# Altium PCB ir-24v-shit5-7.PcbDoc (part 2 of 6) (continued)
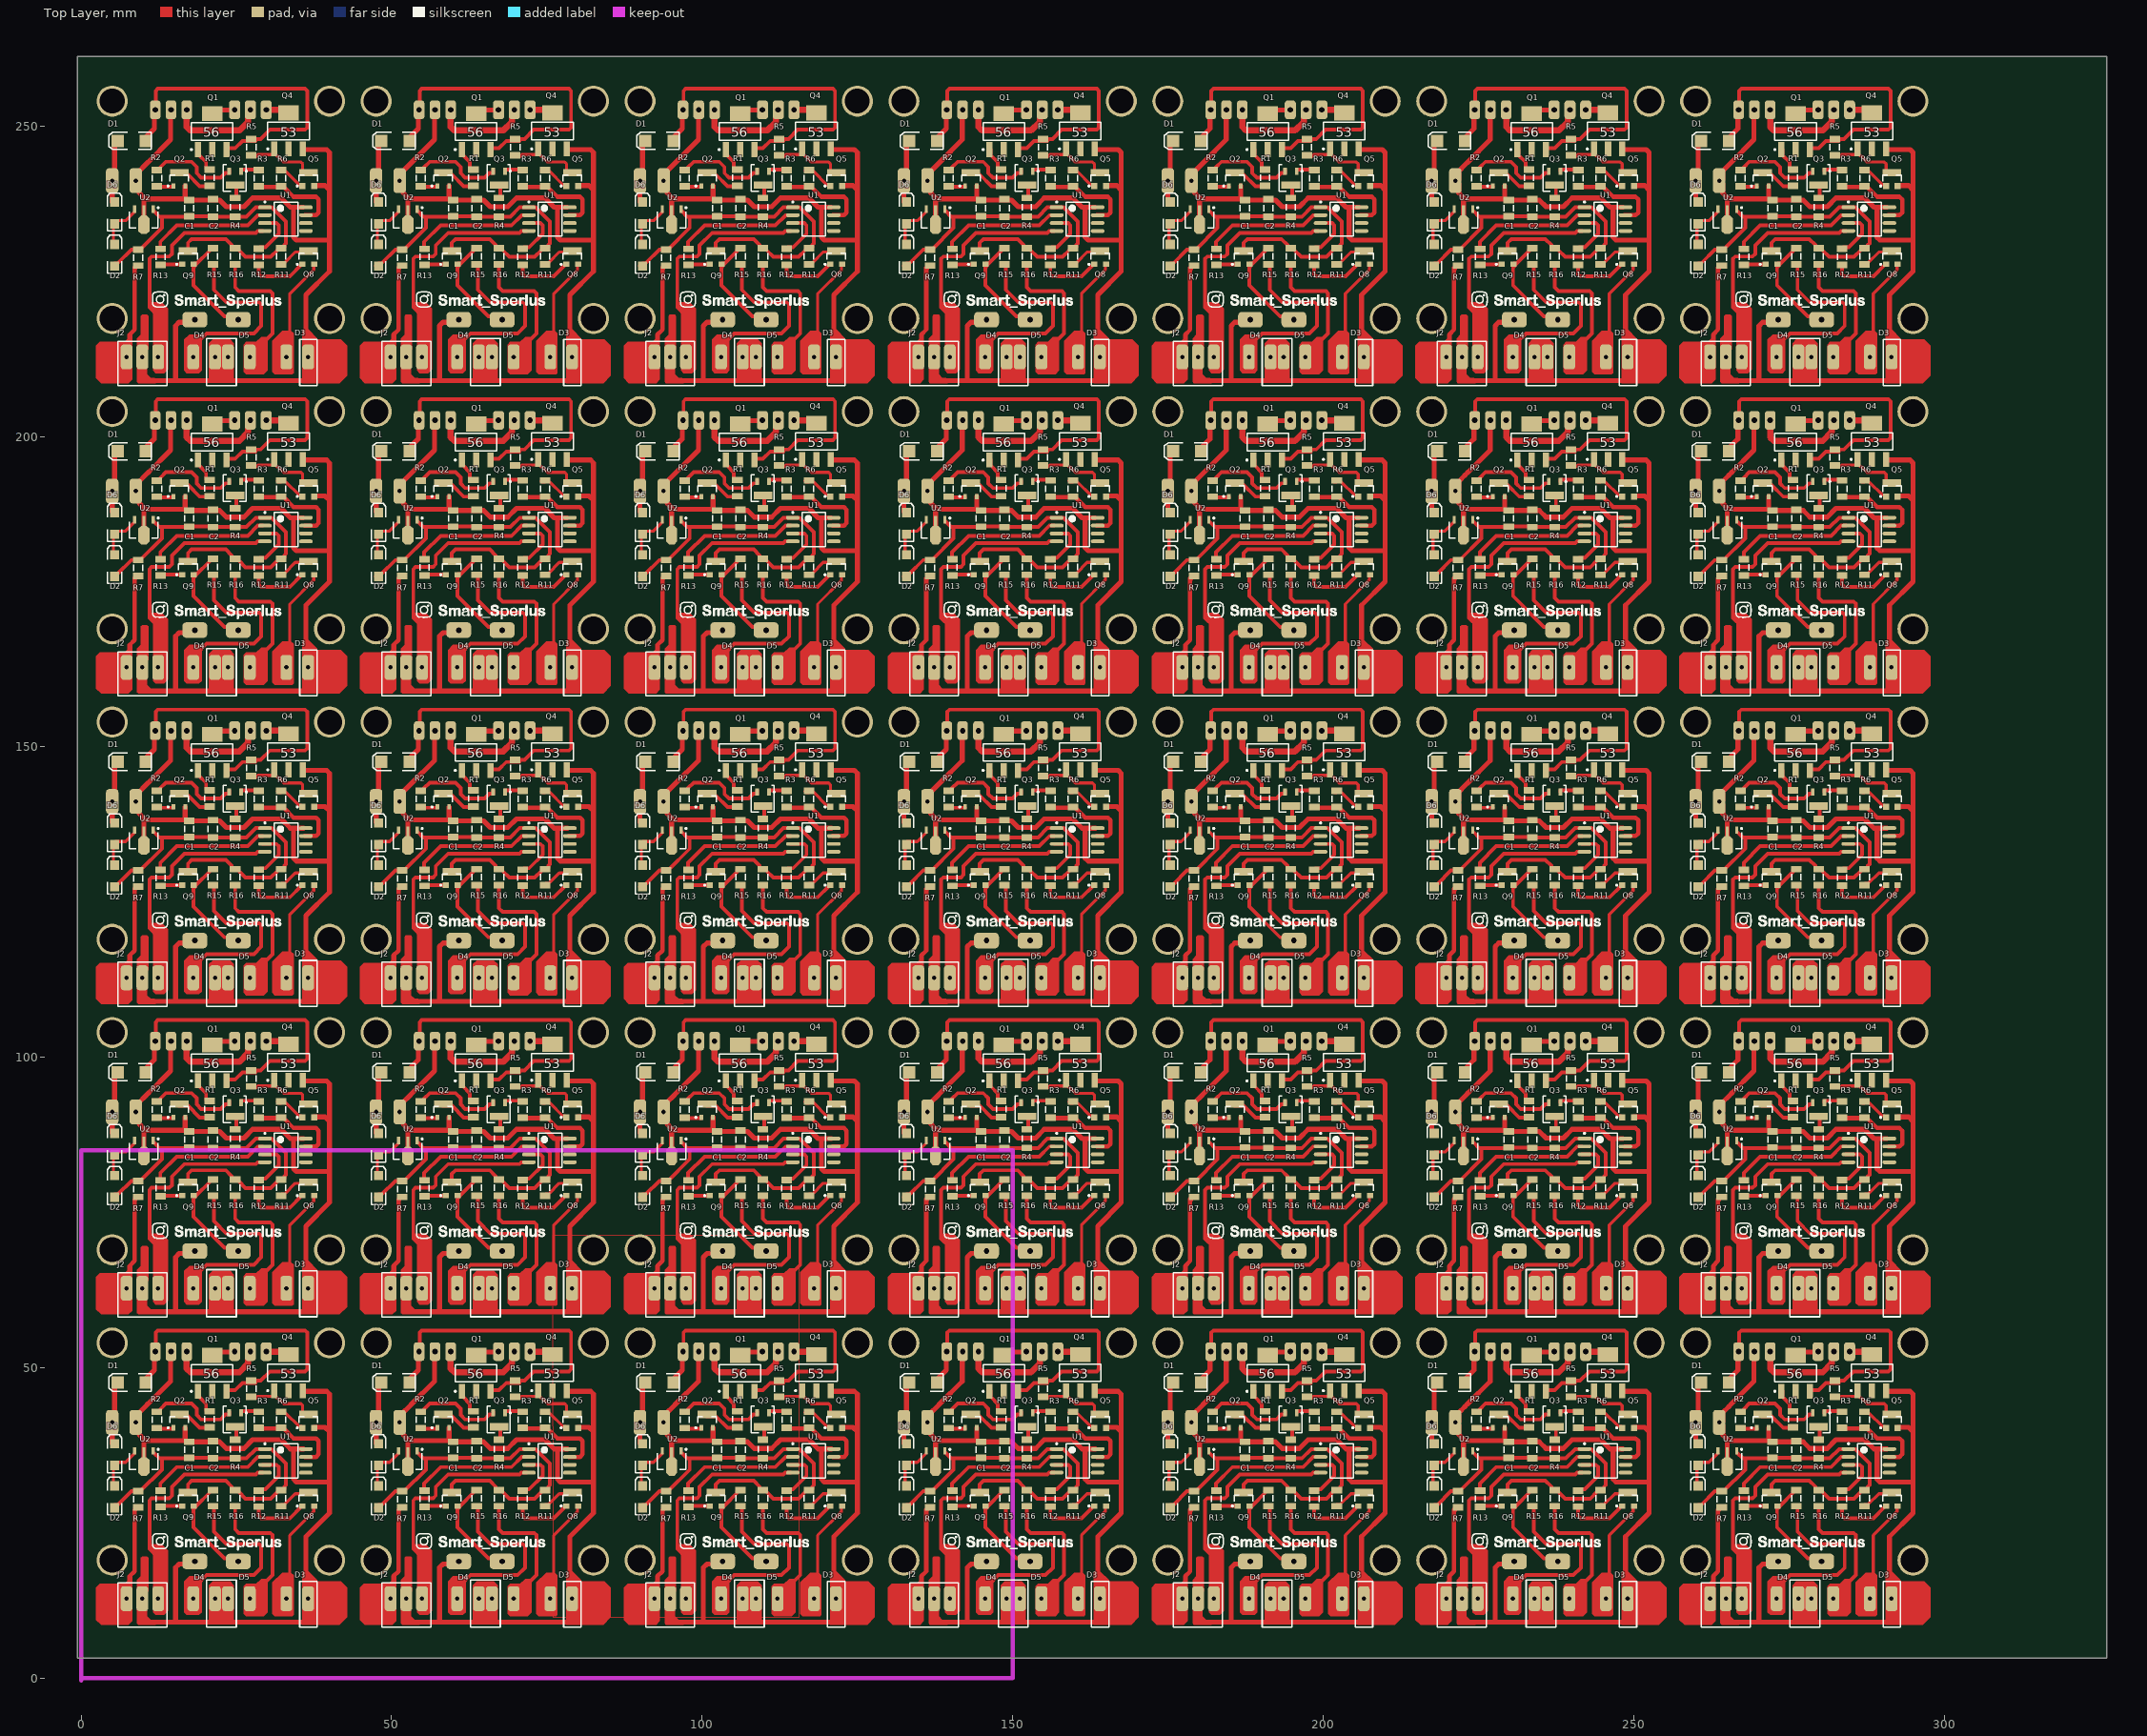
[diagram p0: Top Layer view]
## Free pads (board coordinates) (continued)

## Nets (pads, with @x,y where several pads share a name; then routed paths per layer and width w, separated by ;. In a path a pad name is that pad's centre, name@x,y a point inside that pad or via, vN(x,y) a via of type N, cw(c..) or ccw(c..) an arc to the next point about the centre after c; other vN are vias at no path point)
bizer: 
GND: 
ir-r: 
ir-t: 
key: 
key+: 
key-: 
NetBuzzer1_1: 
NetD2_2: 
NetD3_1: 
NetD4_1: 
NetD5_1: 
NetJ2_1: 
NetQ1_1: 
NetQ2_1: 
NetQ2_2: 
NetQ3_1: 
NetQ3_2: 
NetQ3_3: 
NetQ4_1: 
NetQ5_2: 
NetQ8_1: 
NetQ8_2: 
NetQ9_2: 
NetQ10_1: 
NetQ10_2: 
NetQ10_3: 
out: 
vcc: 
vdd: 
vdd-a: 
pads on no net: Buzzer1.1 Buzzer1.2 C1.1 C1.2 C2.1 C2.2 C5.1 C5.2 D1.1 D1.2 D2.1 D2.2 D3.1 D3.2 D4.1 D4.2 D5.1 D5.2 D6.1 D6.2 J1.1 J1.2 J1.3 J2.1 J2.2 J2.3 J3.1 J3.2 J3.3 Q1.1 Q1.2 Q1.3 Q1.4 Q2.1 Q2.2 Q2.3 Q3.1 Q3.2 Q3.3 Q4.1 Q4.2 Q4.3 Q4.4 Q5.1 Q5.2 Q5.3 Q8.1 Q8.2 Q8.3 Q9.1 Q9.2 Q9.3 R1.1 R1.2 R2.1 R2.2 R3.1 R3.2 R4.1 R4.2 R5.1 R5.2 R6.1 R6.2 R7.1 R7.2 R11.1 R11.2 R12.1 R12.2 R13.1 R13.2 R15.1 R15.2 R16.1 R16.2 U1.1 U1.2 U1.3 U1.4 U1.5 U1.6 U1.7 U1.8 U2.1 U2.2 U2.3
copper on no net: | length 19304
  Top Layer w0.5: 5,34.25 5.5,34.75 7.15,34.75 8.599,36.199 ; 5,84.25 5.5,84.75 7.15,84.75 8.599,86.199 ; 5,134.25 5.5,134.75 7.15,134.75 8.599,136.199 ; 5,184.25 5.5,184.75 7.15,184.75 8.599,186.199 ; 5,234.25 5.5,234.75 7.15,234.75 8.599,236.199 ; 5.2,30.95 5.2,34.05 5.4,34.25 ; 5.2,80.95 5.2,84.05 5.4,84.25 ; 5.2,130.95 5.2,134.05 5.4,134.25 ; 5.2,180.95 5.2,184.05 5.4,184.25 ; 5.2,230.95 5.2,234.05 5.4,234.25 ; 28.2,45.105 28.495,45.4 30.85,45.4 31.1,45.65 31.1,45.85 ; 28.2,95.105 28.495,95.4 30.85,95.4 31.1,95.65 31.1,95.85 ; 28.2,145.105 28.495,145.4 30.85,145.4 31.1,145.65 31.1,145.85 ; 28.2,195.105 28.495,195.4 30.85,195.4 31.1,195.65 31.1,195.85 ; 28.2,245.105 28.495,245.4 30.85,245.4 31.1,245.65 31.1,245.85 ; 31.1,45.4 31.1,45.85 ; 31.1,46.3 31.1,45.85 ; 31.1,95.4 31.1,95.85 ; 31.1,96.3 31.1,95.85 ; 31.1,145.4 31.1,145.85 ; 31.1,146.3 31.1,145.85 ; 31.1,195.4 31.1,195.85 ; 31.1,196.3 31.1,195.85 ; 31.1,245.4 31.1,245.85 ; 31.1,246.3 31.1,245.85 ; 31.3,45.4 31.55,45.15 31.65,45.15 32.6,44.2 35.375,44.2 35.668,43.907 35.668,42.825 36.018,42.475 36.6,42.475 ; 31.3,95.4 31.55,95.15 31.65,95.15 32.6,94.2 35.375,94.2 35.668,93.907 35.668,92.825 36.018,92.475 36.6,92.475 ; 31.3,145.4 31.55,145.15 31.65,145.15 32.6,144.2 35.375,144.2 35.668,143.907 35.668,142.825 36.018,142.475 36.6,142.475 ; 31.3,195.4 31.55,195.15 31.65,195.15 32.6,194.2 35.375,194.2 35.668,193.907 35.668,192.825 36.018,192.475 36.6,192.475 ; 31.3,245.4 31.55,245.15 31.65,245.15 32.6,244.2 35.375,244.2 35.668,243.907 35.668,242.825 36.018,242.475 36.6,242.475 ; 31.586,42.839 31.8,42.626 31.986,42.626 32.174,42.626 ; 31.586,92.839 31.8,92.626 31.986,92.626 32.174,92.626 ; 31.586,142.839 31.8,142.626 31.986,142.626 32.174,142.626 ; 31.586,192.839 31.8,192.626 31.986,192.626 32.174,192.626 ; 31.586,242.839 31.8,242.626 31.986,242.626 32.174,242.626 ; 32,27.705 32.275,27.98 32.78,27.98 34.5,29.7 36.35,29.7 36.4,29.75 36.4,29.875 ; 32,77.705 32.275,77.98 32.78,77.98 34.5,79.7 36.35,79.7 36.4,79.75 36.4,79.875 ; 32,127.705 32.275,127.98 32.78,127.98 34.5,129.7 36.35,129.7 36.4,129.75 36.4,129.875 ; 32,177.705 32.275,177.98 32.78,177.98 34.5,179.7 36.35,179.7 36.4,179.75 36.4,179.875 ; 32,227.705 32.275,227.98 32.78,227.98 34.5,229.7 36.35,229.7 36.4,229.75 36.4,229.875 ; 32.4,42.901 32.725,42.901 33,42.626 35.051,40.575 35.4,40.575 35.42,40.555 35.42,40.206 ; 32.4,92.901 32.725,92.901 33,92.626 35.051,90.575 35.4,90.575 35.42,90.555 35.42,90.206 ; 32.4,142.901 32.725,142.901 33,142.626 35.051,140.575 35.4,140.575 35.42,140.555 35.42,140.206 ; 32.4,192.901 32.725,192.901 33,192.626 35.051,190.575 35.4,190.575 35.42,190.555 35.42,190.206 ; 32.4,242.901 32.725,242.901 33,242.626 35.051,240.575 35.4,240.575 35.42,240.555 35.42,240.206 ; 33.05,14.25 33.6,14.8 33.6,23 37.445,26.845 37.445,27.62 37.55,27.725 ; 33.05,64.25 33.6,64.8 33.6,73 37.445,76.845 37.445,77.62 37.55,77.725 ; 33.05,114.25 33.6,114.8 33.6,123 37.445,126.845 37.445,127.62 37.55,127.725 ; 33.05,164.25 33.6,164.8 33.6,173 37.445,176.845 37.445,177.62 37.55,177.725 ; 33.05,214.25 33.6,214.8 33.6,223 37.445,226.845 37.445,227.62 37.55,227.725 ; 47.5,34.25 48,34.75 49.65,34.75 51.099,36.199 ; 47.5,84.25 48,84.75 49.65,84.75 51.099,86.199 ; 47.5,134.25 48,134.75 49.65,134.75 51.099,136.199 ; 47.5,184.25 48,184.75 49.65,184.75 51.099,186.199 ; 47.5,234.25 48,234.75 49.65,234.75 51.099,236.199 ; 47.7,30.95 47.7,34.05 47.9,34.25 ; 47.7,80.95 47.7,84.05 47.9,84.25 ; 47.7,130.95 47.7,134.05 47.9,134.25 ; 47.7,180.95 47.7,184.05 47.9,184.25 ; 47.7,230.95 47.7,234.05 47.9,234.25 ; 70.7,45.105 70.995,45.4 73.35,45.4 73.6,45.65 73.6,45.85 ; 70.7,95.105 70.995,95.4 73.35,95.4 73.6,95.65 73.6,95.85 ; 70.7,145.105 70.995,145.4 73.35,145.4 73.6,145.65 73.6,145.85 ; 70.7,195.105 70.995,195.4 73.35,195.4 73.6,195.65 73.6,195.85 ; 70.7,245.105 70.995,245.4 73.35,245.4 73.6,245.65 73.6,245.85 ; 73.6,45.4 73.6,45.85 ; 73.6,46.3 73.6,45.85 ; 73.6,95.4 73.6,95.85 ; 73.6,96.3 73.6,95.85 ; 73.6,145.4 73.6,145.85 ; 73.6,146.3 73.6,145.85 ; 73.6,195.4 73.6,195.85 ; 73.6,196.3 73.6,195.85 ; 73.6,245.4 73.6,245.85 ; 73.6,246.3 73.6,245.85 ; 73.8,45.4 74.05,45.15 74.15,45.15 75.1,44.2 77.875,44.2 78.168,43.907 78.168,42.825 78.518,42.475 79.1,42.475 ; 73.8,95.4 74.05,95.15 74.15,95.15 75.1,94.2 77.875,94.2 78.168,93.907 78.168,92.825 78.518,92.475 79.1,92.475 ; 73.8,145.4 74.05,145.15 74.15,145.15 75.1,144.2 77.875,144.2 78.168,143.907 78.168,142.825 78.518,142.475 79.1,142.475 ; 73.8,195.4 74.05,195.15 74.15,195.15 75.1,194.2 77.875,194.2 78.168,193.907 78.168,192.825 78.518,192.475 79.1,192.475 ; 73.8,245.4 74.05,245.15 74.15,245.15 75.1,244.2 77.875,244.2 78.168,243.907 78.168,242.825 78.518,242.475 79.1,242.475 ; 74.086,42.839 74.3,42.626 74.486,42.626 74.674,42.626 ; 74.086,92.839 74.3,92.626 74.486,92.626 74.674,92.626 ; 74.086,142.839 74.3,142.626 74.486,142.626 74.674,142.626 ; 74.086,192.839 74.3,192.626 74.486,192.626 74.674,192.626 ; 74.086,242.839 74.3,242.626 74.486,242.626 74.674,242.626 ; 74.5,27.705 74.775,27.98 75.28,27.98 77,29.7 78.85,29.7 78.9,29.75 78.9,29.875 ; 74.5,77.705 74.775,77.98 75.28,77.98 77,79.7 78.85,79.7 78.9,79.75 78.9,79.875 ; 74.5,127.705 74.775,127.98 75.28,127.98 77,129.7 78.85,129.7 78.9,129.75 78.9,129.875 ; 74.5,177.705 74.775,177.98 75.28,177.98 77,179.7 78.85,179.7 78.9,179.75 78.9,179.875 ; 74.5,227.705 74.775,227.98 75.28,227.98 77,229.7 78.85,229.7 78.9,229.75 78.9,229.875 ; 74.9,42.901 75.225,42.901 75.5,42.626 77.551,40.575 77.9,40.575 77.92,40.555 77.92,40.206 ; 74.9,92.901 75.225,92.901 75.5,92.626 77.551,90.575 77.9,90.575 77.92,90.555 77.92,90.206 ; 74.9,142.901 75.225,142.901 75.5,142.626 77.551,140.575 77.9,140.575 77.92,140.555 77.92,140.206 ; 74.9,192.901 75.225,192.901 75.5,192.626 77.551,190.575 77.9,190.575 77.92,190.555 77.92,190.206 ; 74.9,242.901 75.225,242.901 75.5,242.626 77.551,240.575 77.9,240.575 77.92,240.555 77.92,240.206 ; 75.55,14.25 76.1,14.8 76.1,23 79.945,26.845 79.945,27.62 80.05,27.725 ; 75.55,64.25 76.1,64.8 76.1,73 79.945,76.845 79.945,77.62 80.05,77.725 ; 75.55,114.25 76.1,114.8 76.1,123 79.945,126.845 79.945,127.62 80.05,127.725 ; 75.55,164.25 76.1,164.8 76.1,173 79.945,176.845 79.945,177.62 80.05,177.725 ; 75.55,214.25 76.1,214.8 76.1,223 79.945,226.845 79.945,227.62 80.05,227.725 ; 90,34.25 90.5,34.75 92.15,34.75 93.599,36.199 ; 90,84.25 90.5,84.75 92.15,84.75 93.599,86.199 ; 90,134.25 90.5,134.75 92.15,134.75 93.599,136.199 ; 90,184.25 90.5,184.75 92.15,184.75 93.599,186.199 ; 90,234.25 90.5,234.75 92.15,234.75 93.599,236.199 ; 90.2,30.95 90.2,34.05 90.4,34.25 ; 90.2,80.95 90.2,84.05 90.4,84.25 ; 90.2,130.95 90.2,134.05 90.4,134.25 ; 90.2,180.95 90.2,184.05 90.4,184.25 ; 90.2,230.95 90.2,234.05 90.4,234.25 ; 113.2,45.105 113.495,45.4 115.85,45.4 116.1,45.65 116.1,45.85 ; 113.2,95.105 113.495,95.4 115.85,95.4 116.1,95.65 116.1,95.85 ; 113.2,145.105 113.495,145.4 115.85,145.4 116.1,145.65 116.1,145.85 ; 113.2,195.105 113.495,195.4 115.85,195.4 116.1,195.65 116.1,195.85 ; 113.2,245.105 113.495,245.4 115.85,245.4 116.1,245.65 116.1,245.85 ; 116.1,45.4 116.1,45.85 ; 116.1,46.3 116.1,45.85 ; 116.1,95.4 116.1,95.85 ; 116.1,96.3 116.1,95.85 ; 116.1,145.4 116.1,145.85 ; 116.1,146.3 116.1,145.85 ; 116.1,195.4 116.1,195.85 ; 116.1,196.3 116.1,195.85 ; 116.1,245.4 116.1,245.85 ; 116.1,246.3 116.1,245.85 ; 116.3,45.4 116.55,45.15 116.65,45.15 117.6,44.2 120.375,44.2 120.668,43.907 120.668,42.825 121.018,42.475 121.6,42.475 ; 116.3,95.4 116.55,95.15 116.65,95.15 117.6,94.2 120.375,94.2 120.668,93.907 120.668,92.825 121.018,92.475 121.6,92.475 ; 116.3,145.4 116.55,145.15 116.65,145.15 117.6,144.2 120.375,144.2 120.668,143.907 120.668,142.825 121.018,142.475 121.6,142.475 ; 116.3,195.4 116.55,195.15 116.65,195.15 117.6,194.2 120.375,194.2 120.668,193.907 120.668,192.825 121.018,192.475 121.6,192.475 ; 116.3,245.4 116.55,245.15 116.65,245.15 117.6,244.2 120.375,244.2 120.668,243.907 120.668,242.825 121.018,242.475 121.6,242.475 ; 116.586,42.839 116.8,42.626 116.986,42.626 117.174,42.626 ; 116.586,92.839 116.8,92.626 116.986,92.626 117.174,92.626 ; 116.586,142.839 116.8,142.626 116.986,142.626 117.174,142.626 ; 116.586,192.839 116.8,192.626 116.986,192.626 117.174,192.626 ; 116.586,242.839 116.8,242.626 116.986,242.626 117.174,242.626 ; 117,27.705 117.275,27.98 117.78,27.98 119.5,29.7 121.35,29.7 121.4,29.75 121.4,29.875 ; 117,77.705 117.275,77.98 117.78,77.98 119.5,79.7 121.35,79.7 121.4,79.75 121.4,79.875 ; 117,127.705 117.275,127.98 117.78,127.98 119.5,129.7 121.35,129.7 121.4,129.75 121.4,129.875 ; 117,177.705 117.275,177.98 117.78,177.98 119.5,179.7 121.35,179.7 121.4,179.75 121.4,179.875 ; 117,227.705 117.275,227.98 117.78,227.98 119.5,229.7 121.35,229.7 121.4,229.75 121.4,229.875 ; 117.4,42.901 117.725,42.901 118,42.626 120.051,40.575 120.4,40.575 120.42,40.555 120.42,40.206 ; 117.4,92.901 117.725,92.901 118,92.626 120.051,90.575 120.4,90.575 120.42,90.555 120.42,90.206 ; 117.4,142.901 117.725,142.901 118,142.626 120.051,140.575 120.4,140.575 120.42,140.555 120.42,140.206 ; 117.4,192.901 117.725,192.901 118,192.626 120.051,190.575 120.4,190.575 120.42,190.555 120.42,190.206 ; 117.4,242.901 117.725,242.901 118,242.626 120.051,240.575 120.4,240.575 120.42,240.555 120.42,240.206 ; 118.05,14.25 118.6,14.8 118.6,23 122.445,26.845 122.445,27.62 122.55,27.725 ; 118.05,64.25 118.6,64.8 118.6,73 122.445,76.845 122.445,77.62 122.55,77.725 ; 118.05,114.25 118.6,114.8 118.6,123 122.445,126.845 122.445,127.62 122.55,127.725 ; 118.05,164.25 118.6,164.8 118.6,173 122.445,176.845 122.445,177.62 122.55,177.725 ; 118.05,214.25 118.6,214.8 118.6,223 122.445,226.845 122.445,227.62 122.55,227.725 ; 132.5,34.25 133,34.75 134.65,34.75 136.099,36.199 ; 132.5,84.25 133,84.75 134.65,84.75 136.099,86.199 ; 132.5,134.25 133,134.75 134.65,134.75 136.099,136.199 ; 132.5,184.25 133,184.75 134.65,184.75 136.099,186.199 ; 132.5,234.25 133,234.75 134.65,234.75 136.099,236.199 ; 132.7,30.95 132.7,34.05 132.9,34.25 ; 132.7,80.95 132.7,84.05 132.9,84.25 ; 132.7,130.95 132.7,134.05 132.9,134.25 ; 132.7,180.95 132.7,184.05 132.9,184.25 ; 132.7,230.95 132.7,234.05 132.9,234.25 ; 155.7,45.105 155.995,45.4 158.35,45.4 158.6,45.65 158.6,45.85 ; 155.7,95.105 155.995,95.4 158.35,95.4 158.6,95.65 158.6,95.85 ; 155.7,145.105 155.995,145.4 158.35,145.4 158.6,145.65 158.6,145.85 ; 155.7,195.105 155.995,195.4 158.35,195.4 158.6,195.65 158.6,195.85 ; 155.7,245.105 155.995,245.4 158.35,245.4 158.6,245.65 158.6,245.85 ; 158.6,45.4 158.6,45.85 ; 158.6,46.3 158.6,45.85 ; 158.6,95.4 158.6,95.85 ; 158.6,96.3 158.6,95.85 ; 158.6,145.4 158.6,145.85 ; 158.6,146.3 158.6,145.85 ; 158.6,195.4 158.6,195.85 ; 158.6,196.3 158.6,195.85 ; 158.6,245.4 158.6,245.85 ; 158.6,246.3 158.6,245.85 ; 158.8,45.4 159.05,45.15 159.15,45.15 160.1,44.2 162.875,44.2 163.168,43.907 163.168,42.825 163.518,42.475 164.1,42.475 ; 158.8,95.4 159.05,95.15 159.15,95.15 160.1,94.2 162.875,94.2 163.168,93.907 163.168,92.825 163.518,92.475 164.1,92.475 ; 158.8,145.4 159.05,145.15 159.15,145.15 160.1,144.2 162.875,144.2 163.168,143.907 163.168,142.825 163.518,142.475 164.1,142.475 ; 158.8,195.4 159.05,195.15 159.15,195.15 160.1,194.2 162.875,194.2 163.168,193.907 163.168,192.825 163.518,192.475 164.1,192.475 ; 158.8,245.4 159.05,245.15 159.15,245.15 160.1,244.2 162.875,244.2 163.168,243.907 163.168,242.825 163.518,242.475 164.1,242.475 ; 159.086,42.839 159.3,42.626 159.486,42.626 159.674,42.626 ; 159.086,92.839 159.3,92.626 159.486,92.626 159.674,92.626 ; 159.086,142.839 159.3,142.626 159.486,142.626 159.674,142.626 ; 159.086,192.839 159.3,192.626 159.486,192.626 159.674,192.626 ; 159.086,242.839 159.3,242.626 159.486,242.626 159.674,242.626 ; 159.5,27.705 159.775,27.98 160.28,27.98 162,29.7 163.85,29.7 163.9,29.75 163.9,29.875 ; 159.5,77.705 159.775,77.98 160.28,77.98 162,79.7 163.85,79.7 163.9,79.75 163.9,79.875 ; 159.5,127.705 159.775,127.98 160.28,127.98 162,129.7 163.85,129.7 163.9,129.75 163.9,129.875 ; 159.5,177.705 159.775,177.98 160.28,177.98 162,179.7 163.85,179.7 163.9,179.75 163.9,179.875 ; 159.5,227.705 159.775,227.98 160.28,227.98 162,229.7 163.85,229.7 163.9,229.75 163.9,229.875 ; 159.9,42.901 160.225,42.901 160.5,42.626 162.551,40.575 162.9,40.575 162.92,40.555 162.92,40.206 ; 159.9,92.901 160.225,92.901 160.5,92.626 162.551,90.575 162.9,90.575 162.92,90.555 162.92,90.206 ; 159.9,142.901 160.225,142.901 160.5,142.626 162.551,140.575 162.9,140.575 162.92,140.555 162.92,140.206 ; 159.9,192.901 160.225,192.901 160.5,192.626 162.551,190.575 162.9,190.575 162.92,190.555 162.92,190.206 ; 159.9,242.901 160.225,242.901 160.5,242.626 162.551,240.575 162.9,240.575 162.92,240.555 162.92,240.206 ; 160.55,14.25 161.1,14.8 161.1,23 164.945,26.845 164.945,27.62 165.05,27.725 ; 160.55,64.25 161.1,64.8 161.1,73 164.945,76.845 164.945,77.62 165.05,77.725 ; 160.55,114.25 161.1,114.8 161.1,123 164.945,126.845 164.945,127.62 165.05,127.725 ; 160.55,164.25 161.1,164.8 161.1,173 164.945,176.845 164.945,177.62 165.05,177.725 ; 160.55,214.25 161.1,214.8 161.1,223 164.945,226.845 164.945,227.62 165.05,227.725 ; 175,34.25 175.5,34.75 177.15,34.75 178.599,36.199 ; 175,84.25 175.5,84.75 177.15,84.75 178.599,86.199 ; 175,134.25 175.5,134.75 177.15,134.75 178.599,136.199 ; 175,184.25 175.5,184.75 177.15,184.75 178.599,186.199 ; 175,234.25 175.5,234.75 177.15,234.75 178.599,236.199 ; 175.2,30.95 175.2,34.05 175.4,34.25 ; 175.2,80.95 175.2,84.05 175.4,84.25 ; 175.2,130.95 175.2,134.05 175.4,134.25 ; 175.2,180.95 175.2,184.05 175.4,184.25 ; 175.2,230.95 175.2,234.05 175.4,234.25 ; 198.2,45.105 198.495,45.4 200.85,45.4 201.1,45.65 201.1,45.85 ; 198.2,95.105 198.495,95.4 200.85,95.4 201.1,95.65 201.1,95.85 ; 198.2,145.105 198.495,145.4 200.85,145.4 201.1,145.65 201.1,145.85 ; 198.2,195.105 198.495,195.4 200.85,195.4 201.1,195.65 201.1,195.85 ; 198.2,245.105 198.495,245.4 200.85,245.4 201.1,245.65 201.1,245.85 ; 201.1,45.4 201.1,45.85 ; 201.1,46.3 201.1,45.85 ; 201.1,95.4 201.1,95.85 ; 201.1,96.3 201.1,95.85 ; 201.1,145.4 201.1,145.85 ; 201.1,146.3 201.1,145.85 ; 201.1,195.4 201.1,195.85 ; 201.1,196.3 201.1,195.85 ; 201.1,245.4 201.1,245.85 ; 201.1,246.3 201.1,245.85 ; 201.3,45.4 201.55,45.15 201.65,45.15 202.6,44.2 205.375,44.2 205.668,43.907 205.668,42.825 206.018,42.475 206.6,42.475 ; 201.3,95.4 201.55,95.15 201.65,95.15 202.6,94.2 205.375,94.2 205.668,93.907 205.668,92.825 206.018,92.475 206.6,92.475 ; 201.3,145.4 201.55,145.15 201.65,145.15 202.6,144.2 205.375,144.2 205.668,143.907 205.668,142.825 206.018,142.475 206.6,142.475 ; 201.3,195.4 201.55,195.15 201.65,195.15 202.6,194.2 205.375,194.2 205.668,193.907 205.668,192.825 206.018,192.475 206.6,192.475 ; 201.3,245.4 201.55,245.15 201.65,245.15 202.6,244.2 205.375,244.2 205.668,243.907 205.668,242.825 206.018,242.475 206.6,242.475 ; 201.586,42.839 201.8,42.626 201.986,42.626 202.174,42.626 ; 201.586,92.839 201.8,92.626 201.986,92.626 202.174,92.626 ; 201.586,142.839 201.8,142.626 201.986,142.626 202.174,142.626 ; 201.586,192.839 201.8,192.626 201.986,192.626 202.174,192.626 ; 201.586,242.839 201.8,242.626 201.986,242.626 202.174,242.626 ; 202,27.705 202.275,27.98 202.78,27.98 204.5,29.7 206.35,29.7 206.4,29.75 206.4,29.875 ; 202,77.705 202.275,77.98 202.78,77.98 204.5,79.7 206.35,79.7 206.4,79.75 206.4,79.875 ; 202,127.705 202.275,127.98 202.78,127.98 204.5,129.7 206.35,129.7 206.4,129.75 206.4,129.875 ; 202,177.705 202.275,177.98 202.78,177.98 204.5,179.7 206.35,179.7 206.4,179.75 206.4,179.875 ; 202,227.705 202.275,227.98 202.78,227.98 204.5,229.7 206.35,229.7 206.4,229.75 206.4,229.875 ; 202.4,42.901 202.725,42.901 203,42.626 205.051,40.575 205.4,40.575 205.42,40.555 205.42,40.206 ; 202.4,92.901 202.725,92.901 203,92.626 205.051,90.575 205.4,90.575 205.42,90.555 205.42,90.206 ; 202.4,142.901 202.725,142.901 203,142.626 205.051,140.575 205.4,140.575 205.42,140.555 205.42,140.206 ; 202.4,192.901 202.725,192.901 203,192.626 205.051,190.575 205.4,190.575 205.42,190.555 205.42,190.206 ; 202.4,242.901 202.725,242.901 203,242.626 205.051,240.575 205.4,240.575 205.42,240.555 205.42,240.206 ; 203.05,14.25 203.6,14.8 203.6,23 207.445,26.845 207.445,27.62 207.55,27.725 ; 203.05,64.25 203.6,64.8 203.6,73 207.445,76.845 207.445,77.62 207.55,77.725 ; 203.05,114.25 203.6,114.8 203.6,123 207.445,126.845 207.445,127.62 207.55,127.725 ; 203.05,164.25 203.6,164.8 203.6,173 207.445,176.845 207.445,177.62 207.55,177.725 ; 203.05,214.25 203.6,214.8 203.6,223 207.445,226.845 207.445,227.62 207.55,227.725 ; 217.5,34.25 218,34.75 219.65,34.75 221.099,36.199 ; 217.5,84.25 218,84.75 219.65,84.75 221.099,86.199 ; 217.5,134.25 218,134.75 219.65,134.75 221.099,136.199 ; 217.5,184.25 218,184.75 219.65,184.75 221.099,186.199 ; 217.5,234.25 218,234.75 219.65,234.75 221.099,236.199 ; 217.7,30.95 217.7,34.05 217.9,34.25 ; 217.7,80.95 217.7,84.05 217.9,84.25 ; 217.7,130.95 217.7,134.05 217.9,134.25 ; 217.7,180.95 217.7,184.05 217.9,184.25 ; 217.7,230.95 217.7,234.05 217.9,234.25 ; 240.7,45.105 240.995,45.4 243.35,45.4 243.6,45.65 243.6,45.85 ; 240.7,95.105 240.995,95.4 243.35,95.4 243.6,95.65 243.6,95.85 ; 240.7,145.105 240.995,145.4 243.35,145.4 243.6,145.65 243.6,145.85 ; 240.7,195.105 240.995,195.4 243.35,195.4 243.6,195.65 243.6,195.85 ; 240.7,245.105 240.995,245.4 243.35,245.4 243.6,245.65 243.6,245.85 ; 243.6,45.4 243.6,45.85 ; 243.6,46.3 243.6,45.85 ; 243.6,95.4 243.6,95.85 ; 243.6,96.3 243.6,95.85 ; 243.6,145.4 243.6,145.85 ; 243.6,146.3 243.6,145.85 ; 243.6,195.4 243.6,195.85 ; 243.6,196.3 243.6,195.85 ; 243.6,245.4 243.6,245.85 ; 243.6,246.3 243.6,245.85 ; 243.8,45.4 244.05,45.15 244.15,45.15 245.1,44.2 247.875,44.2 248.168,43.907 248.168,42.825 248.518,42.475 249.1,42.475 ; 243.8,95.4 244.05,95.15 244.15,95.15 245.1,94.2 247.875,94.2 248.168,93.907 248.168,92.825 248.518,92.475 249.1,92.475 ; 243.8,145.4 244.05,145.15 244.15,145.15 245.1,144.2 247.875,144.2 248.168,143.907 248.168,142.825 248.518,142.475 249.1,142.475 ; 243.8,195.4 244.05,195.15 244.15,195.15 245.1,194.2 247.875,194.2 248.168,193.907 248.168,192.825 248.518,192.475 249.1,192.475 ; 243.8,245.4 244.05,245.15 244.15,245.15 245.1,244.2 247.875,244.2 248.168,243.907 248.168,242.825 248.518,242.475 249.1,242.475 ; 244.086,42.839 244.3,42.626 244.486,42.626 244.674,42.626 ; 244.086,92.839 244.3,92.626 244.486,92.626 244.674,92.626 ; 244.086,142.839 244.3,142.626 244.486,142.626 244.674,142.626 ; 244.086,192.839 244.3,192.626 244.486,192.626 244.674,192.626 ; 244.086,242.839 244.3,242.626 244.486,242.626 244.674,242.626 ; 244.5,27.705 244.775,27.98 245.28,27.98 247,29.7 248.85,29.7 248.9,29.75 248.9,29.875 ; 244.5,77.705 244.775,77.98 245.28,77.98 247,79.7 248.85,79.7 248.9,79.75 248.9,79.875 ; 244.5,127.705 244.775,127.98 245.28,127.98 247,129.7 248.85,129.7 248.9,129.75 248.9,129.875 ; 244.5,177.705 244.775,177.98 245.28,177.98 247,179.7 248.85,179.7 248.9,179.75 248.9,179.875 ; 244.5,227.705 244.775,227.98 245.28,227.98 247,229.7 248.85,229.7 248.9,229.75 248.9,229.875 ; 244.9,42.901 245.225,42.901 245.5,42.626 247.551,40.575 247.9,40.575 247.92,40.555 247.92,40.206 ; 244.9,92.901 245.225,92.901 245.5,92.626 247.551,90.575 247.9,90.575 247.92,90.555 247.92,90.206 ; 244.9,142.901 245.225,142.901 245.5,142.626 247.551,140.575 247.9,140.575 247.92,140.555 247.92,140.206 ; 244.9,192.901 245.225,192.901 245.5,192.626 247.551,190.575 247.9,190.575 247.92,190.555 247.92,190.206 ; 244.9,242.901 245.225,242.901 245.5,242.626 247.551,240.575 247.9,240.575 247.92,240.555 247.92,240.206 ; 245.55,14.25 246.1,14.8 246.1,23 249.945,26.845 249.945,27.62 250.05,27.725 ; 245.55,64.25 246.1,64.8 246.1,73 249.945,76.845 249.945,77.62 250.05,77.725 ; 245.55,114.25 246.1,114.8 246.1,123 249.945,126.845 249.945,127.62 250.05,127.725 ; 245.55,164.25 246.1,164.8 246.1,173 249.945,176.845 249.945,177.62 250.05,177.725 ; 245.55,214.25 246.1,214.8 246.1,223 249.945,226.845 249.945,227.62 250.05,227.725 ; 260,34.25 260.5,34.75 262.15,34.75 263.599,36.199 ; 260,84.25 260.5,84.75 262.15,84.75 263.599,86.199 ; 260,134.25 260.5,134.75 262.15,134.75 263.599,136.199 ; 260,184.25 260.5,184.75 262.15,184.75 263.599,186.199 ; 260,234.25 260.5,234.75 262.15,234.75 263.599,236.199 ; 260.2,30.95 260.2,34.05 260.4,34.25 ; 260.2,80.95 260.2,84.05 260.4,84.25 ; 260.2,130.95 260.2,134.05 260.4,134.25 ; 260.2,180.95 260.2,184.05 260.4,184.25 ; 260.2,230.95 260.2,234.05 260.4,234.25 ; 283.2,45.105 283.495,45.4 285.85,45.4 286.1,45.65 286.1,45.85 ; 283.2,95.105 283.495,95.4 285.85,95.4 286.1,95.65 286.1,95.85 ; 283.2,145.105 283.495,145.4 285.85,145.4 286.1,145.65 286.1,145.85 ; 283.2,195.105 283.495,195.4 285.85,195.4 286.1,195.65 286.1,195.85 ; 283.2,245.105 283.495,245.4 285.85,245.4 286.1,245.65 286.1,245.85 ; 286.1,45.4 286.1,45.85 ; 286.1,46.3 286.1,45.85 ; 286.1,95.4 286.1,95.85 ; 286.1,96.3 286.1,95.85 ; 286.1,145.4 286.1,145.85 ; 286.1,146.3 286.1,145.85 ; 286.1,195.4 286.1,195.85 ; 286.1,196.3 286.1,195.85 ; 286.1,245.4 286.1,245.85 ; 286.1,246.3 286.1,245.85 ; 286.3,45.4 286.55,45.15 286.65,45.15 287.6,44.2 290.375,44.2 290.668,43.907 290.668,42.825 291.018,42.475 291.6,42.475 ; 286.3,95.4 286.55,95.15 286.65,95.15 287.6,94.2 290.375,94.2 290.668,93.907 290.668,92.825 291.018,92.475 291.6,92.475 ; 286.3,145.4 286.55,145.15 286.65,145.15 287.6,144.2 290.375,144.2 290.668,143.907 290.668,142.825 291.018,142.475 291.6,142.475 ; 286.3,195.4 286.55,195.15 286.65,195.15 287.6,194.2 290.375,194.2 290.668,193.907 290.668,192.825 291.018,192.475 291.6,192.475 ; 286.3,245.4 286.55,245.15 286.65,245.15 287.6,244.2 290.375,244.2 290.668,243.907 290.668,242.825 291.018,242.475 291.6,242.475 ; 286.586,42.839 286.8,42.626 286.986,42.626 287.174,42.626 ; 286.586,92.839 286.8,92.626 286.986,92.626 287.174,92.626 ; 286.586,142.839 286.8,142.626 286.986,142.626 287.174,142.626 ; 286.586,192.839 286.8,192.626 286.986,192.626 287.174,192.626 ; 286.586,242.839 286.8,242.626 286.986,242.626 287.174,242.626 ; 287,27.705 287.275,27.98 287.78,27.98 289.5,29.7 291.35,29.7 291.4,29.75 291.4,29.875 ; 287,77.705 287.275,77.98 287.78,77.98 289.5,79.7 291.35,79.7 291.4,79.75 291.4,79.875 ; 287,127.705 287.275,127.98 287.78,127.98 289.5,129.7 291.35,129.7 291.4,129.75 291.4,129.875 ; 287,177.705 287.275,177.98 287.78,177.98 289.5,179.7 291.35,179.7 291.4,179.75 291.4,179.875 ; 287,227.705 287.275,227.98 287.78,227.98 289.5,229.7 291.35,229.7 291.4,229.75 291.4,229.875 ; 287.4,42.901 287.725,42.901 288,42.626 290.051,40.575 290.4,40.575 290.42,40.555 290.42,40.206 ; 287.4,92.901 287.725,92.901 288,92.626 290.051,90.575 290.4,90.575 290.42,90.555 290.42,90.206 ; 287.4,142.901 287.725,142.901 288,142.626 290.051,140.575 290.4,140.575 290.42,140.555 290.42,140.206 ; 287.4,192.901 287.725,192.901 288,192.626 290.051,190.575 290.4,190.575 290.42,190.555 290.42,190.206 ; 287.4,242.901 287.725,242.901 288,242.626 290.051,240.575 290.4,240.575 290.42,240.555 290.42,240.206 ; 288.05,14.25 288.6,14.8 288.6,23 292.445,26.845 292.445,27.62 292.55,27.725 ; 288.05,64.25 288.6,64.8 288.6,73 292.445,76.845 292.445,77.62 292.55,77.725 ; 288.05,114.25 288.6,114.8 288.6,123 292.445,126.845 292.445,127.62 292.55,127.725 ; 288.05,164.25 288.6,164.8 288.6,173 292.445,176.845 292.445,177.62 292.55,177.725 ; 288.05,214.25 288.6,214.8 288.6,223 292.445,226.845 292.445,227.62 292.55,227.725